# KiCad board poly_kb_wave_right.kicad_pcb (continued)
## Routing (per net, layer and track width the routed paths; a pad name or vN(x,y) marks a point on that pad's centre or on a via; arc(x,y) is an arc through that point) (continued)
Col4: length 182.5
  In1.Cu w0.254: v3(72.82,97.32) 72.3,97.83 v3(72.3,114.31)
  In2.Cu w0.3: v3(72.82,59.62) 72,58.8 63.8,58.8 63.3,58.3 41.72,58.3 32,68.02 32,92.77 25.8,98.97 25.8,99.55 v3(26.3,100.05)
  Bottom w0.203: U10.16 18.95,100.38 19.18,100.15 26.2,100.15 v3(26.3,100.05)
  Bottom w0.254: D1_3.1 72.85,114.85 v3(72.3,114.31)
  Bottom w0.3: v3(72.82,97.32) 72.82,85.19 72.6,84.98 72.6,80.11 72.82,79.89 72.82,65.89 72.6,65.68 72.6,60.93 72.82,60.72 v3(72.82,59.62) 72.82,45.12 67.35,39.66 61.95,39.66 59.5,37.2 59.5,32.95 D1_32.1
Col5: length 183.4
  In1.Cu w0.254: v3(90.8,116.2) 90.8,100.73 v3(91.87,99.67)
  In2.Cu w0.3: v3(26.68,99.13) 32.65,93.16 32.65,68.13 40.08,60.7 82.2,60.7 82.7,61.2 91.2,61.2 v3(91.87,61.87)
  Bottom w0.203: U10.17 18.55,100.27 19.03,99.8 25.66,99.8 25.97,99.49 26.32,99.49 v3(26.68,99.13)
  Bottom w0.254: v3(90.8,116.2) 91.9,117.3 D1_4.1
  Bottom w0.3: D1_25.1 91.87,60.76 91.87,49.14 91.65,48.93 91.65,45.06 91.87,44.84 91.87,41.78 D1_33.1 ; v3(91.87,99.67) 91.87,87.37 91.65,87.15 91.65,82.56 91.87,82.34 91.87,68.87 91.65,68.65 91.65,63.68 91.87,63.47 v3(91.87,61.87) 91.87,61.01 91.87,61.56
Col6: length 187.9
  In1.Cu w0.254: v3(110.7,99.91) 110.4,100.2 v3(110.4,114)
  In2.Cu w0.254: v3(29,97.75) 33.3,93.45 33.3,82.7 36.4,79.6 82.2,79.6 82.8,80.2 91.8,80.2 93.7,82.1 104.2,82.1 107.49,78.82 v3(110.92,78.82)
  Bottom w0.203: U10.18 18.15,100.17 18.97,99.35 25.45,99.35 27.1,97.7 28.95,97.7 v3(29,97.75)
  Bottom w0.254: v3(110.4,114) 110.95,114.55 D1_5.1
  Bottom w0.3: D1_34.1 110.95,40.26 110.92,40.29 110.92,41.89 110.7,42.11 110.7,46.48 110.92,46.69 110.92,61.09 110.7,61.31 110.7,65.6 110.92,65.82 110.92,79.92 110.7,80.13 110.7,84.9 110.92,85.12 110.92,99.69 v3(110.7,99.91)
Col7: length 212.3
  In1.Cu w0.203: v2(20.89,89.78) 20.15,89.03 16.23,89.03 13.3,91.95 13.3,96.43 v2(13.98,97.1)
  In1.Cu w0.254: v3(129.4,112) 129.4,97.43 v3(129.97,96.87)
  In2.Cu w0.254: v3(129.97,96.87) 127.93,98.91 124.9,98.91 124.4,99.41 121.7,99.41 120.9,98.6 109.1,98.6 106.2,101.5 101.8,101.5 101.2,100.91 91.6,100.91 89.5,98.81 37.7,98.81 35.62,96.72 v3(30.87,96.72)
  Bottom w0.203: U10.27 14.55,100.06 14.55,100.05 14.55,97.68 v2(13.98,97.1) ; v3(30.87,96.72) 23.92,89.78 v2(20.89,89.78)
  Bottom w0.254: v3(129.4,112) 130,112.6 D1_6.1
  Bottom w0.3: D1_35.1 130,37.91 129.97,37.94 129.97,39.84 129.75,40.06 129.75,44.03 129.97,44.24 129.97,58.84 129.75,59.06 129.75,62.85 129.97,63.07 129.97,77.87 129.75,78.08 129.75,82.43 129.97,82.64 v3(129.97,96.87)
Col8: length 234.2
  In1.Cu w0.254: v3(152.65,96.5) 153.33,97.18 153.33,105.42 v3(153.3,105.45) ; v2(19.25,105.6) 20.5,105.6 33,118.1 42.6,118.1 44.5,120 92.4,120 94.95,122.56 129.15,122.56 130.2,121.5 v3(147.9,121.5)
  In2.Cu w0.3: v3(152.74,43.67) 152.46,43.39 152.46,40.27 150.43,38.24 v3(149.34,38.24)
  Bottom w0.203: U10.5 19.58,105.28 v2(19.25,105.6)
  Bottom w0.254: v3(147.9,121.5) 147.95,121.56 150.75,121.56 152.5,119.81 152.5,117 153.81,115.7 D1_7.1 153.81,112.63 153.3,112.12 v3(153.3,105.45) ; D1_14.1 153.81,95.35 v3(152.65,96.5)
  Bottom w0.3: v3(149.34,38.24) 149.34,37.28 D1_36.1 ; 153.78,56.25 153.78,57.73 ; 153.78,57.73 153.78,44.71 v3(152.74,43.67) ; 153.78,57.73 153.56,57.94 153.56,63.42 154.52,64.38 154.52,67.88 D1_21.1 153.6,68.8 153.6,73.65 155.2,75.25 155.2,76.91 155.61,77.32 155.98,77.32 156.29,77.63 156.29,78.57 155.9,78.95 155.9,87.36 153.78,89.48 153.78,94.1 D1_14.1
D-C: length 1041.4
  Top w0.203: v2(36.49,107.54) 29.19,107.54 23.77,102.12 v2(19.1,102.12)
  In1.Cu w0.3: v3(80.68,116.29) 80.68,116.29 80.68,115.53 79.92,114.77 76.11,114.77 74.59,113.25 74.59,105.12 80.68,99.02 80.68,96.48 79.92,95.72 76.11,95.72 74.59,94.2 74.59,86.07 80.68,79.97 80.68,77.43 79.92,76.67 76.11,76.67 74.59,75.15 74.59,67.02 80.68,60.92 80.68,58.38 79.92,57.62 76.11,57.62 74.59,56.1 74.59,42.39 68.71,36.51 68.71,34.51 v3(68.86,32.74) ; v3(42.58,113.91) 42.58,113.91 42.58,113.15 41.82,112.39 38.01,112.39 36.49,110.86 v2(36.49,107.54) 38.24,105.79 38.24,100.99 42.58,96.64 42.58,94.1 41.82,93.34 38.01,93.34 36.49,91.81 36.49,83.69 42.58,77.59 42.58,75.05 41.82,74.29 38.01,74.29 36.49,72.76 36.49,55.25 39.38,52.35 v3(39.8,50.62) 39.98,49.88 39.41,48.96 35.71,48.07 14.72,48.07 13.65,47 13.65,46.37 15.1,44.93 v3(15.7,43.26) 15.96,42.55 15.51,41.57 11.93,40.27 11.02,38.31 13.95,30.25 19.93,24.28 23.21,24.28 v3(23.81,22.61) ; v3(161.65,113.91) 161.65,113.15 160.88,112.39 157.07,112.39 155.55,110.86 155.55,102.74 161.65,96.64 v3(161.65,94.86) 161.65,94.1 160.88,93.34 157.07,93.34 155.55,91.81 155.55,83.69 161.65,77.59 v3(161.65,75.81) 161.65,75.05 160.88,74.29 157.07,74.29 155.55,72.76 155.55,64.64 161.65,58.54 v3(161.65,56.76) 161.65,56 160.88,55.24 157.07,55.24 155.55,53.71 155.55,40.82 156.88,39.49 v3(156.88,37.71) ; v3(61.63,113.91) 61.63,113.15 60.87,112.39 57.06,112.39 55.54,110.86 55.54,102.73 61.63,96.64 61.63,94.1 60.87,93.34 57.06,93.34 55.54,91.81 55.54,83.68 61.63,77.59 61.63,75.05 60.87,74.29 57.06,74.29 55.54,72.76 55.54,64.63 61.63,58.54 61.63,56 60.87,55.24 57.06,55.24 55.54,53.71 55.54,39.19 52.35,36 47.95,36 44.95,33 44.95,30.6 45.47,30.09 v3(45.47,28.91) ; 99.73,117.91 98.97,117.15 95.16,117.15 93.63,115.63 93.63,107.5 99.73,101.4 99.73,98.86 98.97,98.1 95.16,98.1 93.63,96.58 93.63,88.45 99.73,82.35 99.73,79.81 98.97,79.05 95.16,79.05 93.63,77.53 93.63,69.4 99.73,63.3 99.73,60.76 98.97,60 95.16,60 93.63,58.48 93.63,50.35 99.73,44.25 v3(99.73,42.47) ; 137.83,113.91 137.83,113.15 137.07,112.39 133.26,112.39 131.74,110.86 131.74,102.73 137.82,96.65 137.82,94.09 137.07,93.34 133.26,93.34 131.74,91.81 131.74,83.68 137.83,77.59 137.83,75.05 137.07,74.29 133.26,74.29 131.74,72.76 131.74,64.63 137.83,58.54 137.83,56 137.07,55.24 133.26,55.24 131.74,53.71 131.74,45.12 137.83,39.03 v3(137.83,37.71) ; v3(118.78,40.09) 118.78,41.87 112.73,47.92 112.68,47.92 112.68,56.09 114.21,57.62 118.02,57.62 118.78,58.38 118.78,60.92 112.68,67.02 112.68,75.14 114.21,76.67 118.02,76.67 118.78,77.43 118.78,79.97 112.68,86.07 112.68,94.19 114.21,95.72 118.02,95.72 118.78,96.48 118.78,99.02 112.68,105.12 112.68,113.24 114.21,114.77 118.02,114.77 118.78,115.53 118.78,116.29
  In2.Cu w0.254: J38.4 37.09,15.72 30.5,22.31 30.5,23.51 29,25 26.21,25 v3(23.81,22.61)
  In2.Cu w0.3: 137.9,115.91 159.65,115.91 v3(161.65,113.91) ; 137.9,115.91 137.83,115.83 v3(137.83,113.91) ; 137.9,115.91 127.5,115.91 125.2,118.2 118.8,118.2 ; 61.6,117.91 61.63,117.88 v3(61.63,113.91) ; 61.6,117.91 80.6,117.91 ; 61.6,117.91 42.5,117.91 ; v3(42.58,113.91) 42.58,117.82 42.5,117.91 ; 80.6,117.91 84,117.91 84.3,118.2 87.1,118.2 88,117.31 92.3,117.31 95.5,120.5 99.8,120.5 ; 80.6,117.91 80.68,117.82 v3(80.68,116.29) ; 42.5,117.91 34.22,117.91 v3(33.73,117.42) ; v3(99.74,118.29) 99.74,120.44 99.8,120.5 ; 118.8,118.2 118.78,118.19 v3(118.78,116.29) ; 118.8,118.2 109.5,118.2 107.2,120.5 99.8,120.5
  Bottom w0.203: v2(19.1,102.12) 19.1,102.26 19.72,102.88 U10.11
  Bottom w0.3: J26.10 118.8,59.16 v3(118.78,59.14) ; J36.10 156.9,37.73 v3(156.88,37.71) ; 118.8,98.51 118.8,97.26 v3(118.78,97.24) ; J15.10 42.6,75.83 v3(42.58,75.81) ; J17.10 80.7,78.21 v3(80.68,78.19) ; J13.10 137.85,94.88 v3(137.83,94.86) ; v3(118.78,116.29) 118.8,116.31 J5.10 ; J35.10 137.85,37.73 v3(137.83,37.71) ; v3(45.47,28.91) 45.48,28.94 J31.10 ; v3(68.86,32.74) 68.88,32.76 J32.10 ; 32.05,118.2 32.94,118.2 v3(33.73,117.42) ; v3(99.73,99.62) 99.75,99.64 J11.10 ; J28.10 161.67,56.78 v3(161.65,56.76) ; v3(61.63,56.76) 61.65,56.78 J23.10 ; v3(118.78,40.09) 118.8,40.11 118.8,41.36 ; J24.10 80.7,59.16 v3(80.68,59.14) ; 80.7,98.51 80.7,97.26 v3(80.68,97.24) ; v3(61.63,94.86) 61.65,94.88 J9.10 ; v3(137.83,113.91) 137.85,113.93 J6.10 ; J30.10 23.83,22.63 v3(23.81,22.61) ; J19.10 118.8,78.21 v3(118.78,78.19) ; J16.10 61.65,75.83 v3(61.63,75.81) ; v3(99.73,61.52) 99.75,61.54 J25.10 ; J7.10 161.67,113.93 v3(161.65,113.91) ; v3(80.68,116.29) 80.7,116.31 J3.10 ; J22.10 39.81,50.65 v3(39.8,50.62) ; J27.10 137.85,56.78 v3(137.83,56.76) ; v3(42.58,94.86) 42.6,94.88 J8.10 ; v3(137.83,75.81) 137.85,75.83 J20.10 ; v3(15.7,43.26) 15.72,43.29 J29.10 ; J4.10 99.75,118.3 v3(99.74,118.29) ; v3(61.63,113.91) 61.65,113.93 J2.10 ; J1.10 42.6,113.93 v3(42.58,113.91) ; v3(161.65,75.81) 161.67,75.83 J21.10 ; v3(161.65,94.86) 161.67,94.88 J14.10 ; J33.10 99.75,42.49 v3(99.73,42.47) ; J18.10 99.75,80.59 v3(99.73,80.57)
ENC_A: length 56.4
  Top w0.203: SW1.A 25.48,69.14 v3(25.48,73.82)
  In1.Cu w0.203: v2(13.95,97.84) 12.95,96.84 12.95,91.81 16.08,88.67 19.43,88.67 22.62,85.49 v3(22.62,84.8)
  In2.Cu w0.203: v3(25.48,73.82) 25.48,81.94 v3(22.62,84.8) ; v2(14.21,102.2) 14.21,101.28 14.49,101 14.49,98.38 v2(13.95,97.84)
  Bottom w0.203: v2(14.21,102.2) 14.31,102.2 14.72,102.6 14.72,103.95 14.6,104.07 14.6,104.07 13.78,104.88 U10.37
  Bottom w0.25: SW1.A 26.17,68.14 28.3,66 28.3,62.2 SW1.A
ENC_B: length 82.8
  In1.Cu w0.203: v3(21.6,85.6) 18.88,88.32 15.89,88.32 12.59,91.62 12.59,97.25 14.5,99.16 14.5,101.81 14.82,102.12 14.82,104.89 v2(12.4,107.31)
  In2.Cu w0.3: v3(21.6,85.6) 21.64,85.63 23.28,85.63 26.07,82.84 26.07,79.28 26.46,78.9 29,78.9 31.03,76.87 31.03,67.47 34.46,64.05 34.46,58.84 31.15,55.54 26.96,55.54 25.42,57.08 25.42,62.57 SW1.B
  Bottom w0.203: v2(12.4,107.31) 12.4,106.93 12.85,106.48 U10.41
I2C_SCL: length 84.2
  Top w0.229: v3(24.61,86.33) 17.92,86.33 17.05,87.19 17.05,87.96
  In1.Cu w0.25: 12.2,74.44 12.2,74.51 15.15,77.45 v3(15.71,77.45) 24.6,77.45 ; 24.6,77.41 24.95,77.05
  In1.Cu w0.254: 12.2,74.44 12.2,70.7 6.3,64.8 J39.1
  In1.Cu w0.3: v3(23.1,104.91) 24.55,103.45 24.55,77.45 30.88,71.12 30.88,67.12 J44.3
  Bottom w0.203: R24.2 22.74,104.91 21.56,106.09 20.2,106.09 U10.3
  Bottom w0.25: v3(15.71,77.45) 15.81,77.56 15.81,78.52 15.54,79.28
I2C_SDA: length 102.8
  Top w0.229: 17.55,87.96 18.05,87.96 18.05,87.13 18.38,86.8 24.29,86.8 v3(25.61,88.12)
  In1.Cu w0.229: 25.65,88.16 v3(25.61,88.12)
  In1.Cu w0.254: 16.3,73.2 15.3,73.2 7.7,65.6 7.7,62.79 J39.2
  In1.Cu w0.3: v3(23.1,105.91) 25.23,103.78 25.23,88.5 25.58,88.16 25.65,88.16 ; v3(25.61,88.12) 25.3,87.82 25.3,77.91 31.8,71.41 31.8,64.79 J44.4 29.72,63.89 27.4,66.2 27.4,69.1 23.3,73.2 16.3,73.2 16.3,76.63 v3(16.18,76.76)
  Bottom w0.203: U10.2 21.67,106.48 22.24,105.91 23.89,105.91
  Bottom w0.25: v3(16.18,76.76) 16.32,76.91 16.32,78.6 16.05,79.36
LED_ARR_START: length 163.3
  Top w0.254: LED7.4 162.65,119.06 131.95,119.06 129.7,121.31 113.1,121.31 110.94,123.47 101.27,123.47 101.01,123.2 94.6,123.2 91.7,120.31 86.45,120.31 84.7,122.06 73.3,122.06 70.1,118.85 29.95,118.85 v3(28.15,117.06)
  Bottom w0.254: U10.4 21.43,105.68 22.9,104.2 26.4,104.2 28.15,105.95 v3(28.15,117.06)
PICO_3V3: length 214
  Top w0.229: 13.63,102.96 13.65,102.93 14.16,102.93 ; R20.1 23.03,110.61 C9.1 22.63,110.58 20.43,108.39 v2(20.43,108.38) 20.43,108.38 C21.1 ; R20.1 26.66,110.61 ; R20.1 26.69,110.72 v3(26.69,114.01) ; v2(14.55,108.43) 14.55,108.75 ; 16.55,101.02 16.57,101 ; 10.53,100.43 10.5,100.41 ; 13.72,103.28 13.58,103.14
  Top w0.3: 13.63,101 13.63,103.19 13.72,103.28 ; 10.53,108.35 13.68,108.35 14.1,107.93 ; 14.06,107.2 14.06,105.66 C19.1 ; 14.06,107.2 14.06,107.88 14.1,107.93 15.75,107.93 ; 14.06,107.2 14.06,106.87 v2(14.1,106.83) ; 15.75,107.93 15.75,108 v2(16.46,108.71) 16.75,108.71 C22.1 C21.1 19.92,106.65 19.92,105.06 C23.1 19.21,104.36 v2(19.21,104.08) 19.35,103.94 19.35,103.08 19.01,103.08 18.18,102.25 17.83,102.25 ; 15.75,107.93 15.75,107.31 ; 16.55,101.02 v2(16.55,101.64)
  Top w0.4: J39.3 7.9,60.45 7.9,66.1 11.33,69.53 v3(13.22,69.53) ; 17.83,102.25 17.83,101.37 17.47,101 10.53,101
  Top w0.75: v1(9.78,84.63) 8.21,83.06 5.23,83.06 5.23,88.15 v1(6.47,89.39) 7.85,90.78 9.28,90.78 10.5,92 10.5,93 ; 10.5,100.41 10.5,93 ; 10.5,93 10.53,93.03 10.53,108.35 10,108.88 7.05,108.88 R14.2 5.88,111.6 C5.1 4.93,112.66 C6.1 3.8,112.03 v1(4.38,111.45)
  Bottom w0.203: 21.33,106.88 U10.1 ; 21.33,106.88 21.33,107.49 v2(20.43,108.38) ; 21.33,106.88 21.77,106.88 22.16,106.5 24.42,106.5 R25.1 R24.1 ; U10.44 U10.43 14.15,106.88 v2(14.1,106.83)
  Bottom w0.229: v3(26.69,114.01) 26.69,115.44 U9.8 ; 14.16,102.93 14.15,102.94 14.14,102.94 13.8,103.28 U10.33 ; U10.10 19.71,103.28 19.21,103.78 v2(19.21,104.08) ; U10.42 14.05,106.88 v2(14.1,106.83) ; U10.48 16.15,108.4 v2(16.46,108.71) 16.55,108.62 U10.49 ; U10.22 v2(16.55,101.64) ; U10.44 v2(14.55,108.43)
  Bottom w0.254: 18.04,79.56 18.15,79.67
  Bottom w0.3: D1.2 8.8,122.14 8.8,120.38 9.08,120.1 9.08,112.48 8.5,111.91 L2.2 ; J43.12 18.04,79.56
  Bottom w0.4: 14.18,74.75 14.18,70.34 13.37,69.53 v3(13.22,69.53)
  Bottom w0.75: L2.2 5.65,111.45 v1(4.38,111.45) 2.6,109.68 JP13.1 ; JP14.1 17.99,82.12 17.99,79.1 ; 18.25,74.75 17.99,75.02 17.99,79.1 ; 18.25,74.75 29.25,74.75 32.95,71.05 32.95,62.68 J44.5 ; 18.25,74.75 13.33,74.75 9.78,78.31 v1(9.78,84.63) 10.44,84.63 12.03,86.22 JP11.1 ; v1(6.47,89.39) 6.25,89.18 JP3.1 ; 17.99,79.91 17.99,79.1
  vias: v2(14.13,102.86)
RESET: length 1253.6
  Top w0.203: 15.05,87.96 15.05,86.8 15.05,86.8 15.05,86.68 18.4,83.33 26.06,83.33 29.45,86.73 29.45,93.95 27.4,96 v3(27.4,102.7)
  In1.Cu w0.3: 128.74,116.37 126.53,118.58 119.69,118.58 ; 128.74,116.37 128.74,45.98 125.13,42.38 v3(119.7,42.38) ; 128.74,116.37 128.91,116.2 138.25,116.2 v3(138.57,116.51) ; v3(106.95,26.23) 106.95,26.35 107.13,26.53 107.13,31.53 104.31,34.35 104.31,37.39 100.65,41.05 ; 109.58,65.23 103.18,65.23 101.77,63.82 100.63,63.82 ; 138.74,97.15 139.88,97.15 141.28,98.56 148.2,98.56 v3(149.31,97.45) ; 144.91,60.46 144.91,66.55 142.3,69.16 142.3,70.41 139.15,73.55 139.15,77.69 v3(138.75,78.1) 140.61,78.1 148.9,86.39 148.9,87.37 v3(149.37,87.84) 149.72,88.19 149.72,88.88 147.31,91.29 147.31,107.94 147.79,108.42 147.79,113.79 145.38,116.2 ; 144.91,60.46 147.1,60.46 147.8,59.75 147.8,48.29 147.81,48.29 147.81,44.94 v3(146.39,43.52) 142.87,40 v3(138.75,40) ; 144.91,60.46 141.28,60.46 139.88,59.05 138.74,59.05 ; 52.43,98.56 46.03,98.56 44.63,97.15 43.49,97.15 ; 43.5,116.2 49.68,116.2 51.24,114.64 ; 41.8,29.5 43.68,27.63 46.13,27.63 47.06,28.56 47.06,31.65 ; 41.8,29.5 41.8,33.3 46.9,38.41 48.5,38.41 49.33,39.23 49.33,41.83 47.77,43.39 46.79,43.39 45.86,44.32 45.86,47.06 46.28,47.48 46.28,54.33 ; 41.8,29.5 29.35,29.5 29.3,29.45 ; 71.48,98.56 65.08,98.56 63.68,97.15 62.54,97.15 ; 46.28,54.33 50.4,54.33 52.54,56.47 52.54,113.34 51.24,114.64 ; 46.28,54.33 45.44,54.33 v3(40.15,53.06) ; 100.65,41.05 97.66,41.05 96.5,42.2 96.5,43.6 95.87,44.24 90.64,44.24 ; 100.65,41.05 v3(100.65,44.76) 106.08,44.76 109.68,48.36 109.68,118.69 ; 90.64,44.24 90.64,97.39 87.94,100.09 87.94,100.94 ; 90.64,44.24 90.64,40.89 85.26,35.52 74.39,35.52 v3(69.58,35.09) ; 171.5,98.56 165.1,98.56 163.69,97.16 162.55,97.16 ; v3(23.89,25.07) 29,26.93 29.3,27.23 29.3,29.45 ; 71.48,79.51 65.08,79.51 63.68,78.1 62.54,78.1 ; 162.55,59.05 163.69,59.05 165.1,60.46 171.5,60.46 ; 47.06,31.65 51.11,32.62 55.87,32.62 62.75,39.5 66.1,39.5 ; 47.06,31.65 v3(45.82,31.35) ; 51.24,114.64 52.8,116.2 v3(62.55,116.2) ; 119.69,61.44 120.82,61.44 122.23,62.84 128.63,62.84 ; 81.59,61.44 82.73,61.44 84.13,62.84 90.53,62.84 ; 66.1,39.5 v3(66.1,38.91) ; 66.1,39.5 71.59,44.99 71.59,113.59 70.44,114.74 ; 109.68,118.69 109.79,118.58 119.36,118.58 v3(119.6,118.81) ; 109.68,118.69 107.41,120.96 100.64,120.96 ; 81.59,99.54 82.73,99.54 84.13,100.94 87.94,100.94 ; 29.3,29.45 29.3,32.92 27.01,35.21 22.78,37.19 21.74,40.05 19.78,40.96 18.83,40.62 17.53,41.22 15.91,45.66 v3(15.78,45.72) ; 100.63,82.87 101.77,82.87 103.18,84.28 109.58,84.28 ; 145.38,116.2 145.38,117.02 146.76,118.41 159,118.41 161.21,116.2 v3(162.56,116.2) 169.61,116.2 171.6,114.2 171.6,43.5 169.51,41.41 160.35,41.41 158.94,40 157.8,40 ; 145.38,116.2 138.75,116.2 ; 119.69,80.49 120.82,80.49 122.23,81.89 128.63,81.89 ; 128.63,100.94 122.23,100.94 120.82,99.54 119.69,99.54 ; v3(81.6,118.58) 74.28,118.58 70.44,114.74 ; v3(81.6,118.58) 81.6,114.66 85.25,111 85.25,107.5 87.94,104.82 87.94,100.94 ; v3(81.6,118.58) 82.12,119.1 93.5,119.1 94.7,120.31 99.8,120.31 v3(100.61,121.11) ; 171.5,79.51 165.1,79.51 163.69,78.1 162.55,78.1 ; 52.43,79.51 44.71,79.51 v3(44.2,79) ; 70.44,114.74 68.98,116.2 62.55,116.2 ; 90.53,81.89 84.13,81.89 82.73,80.49 81.59,80.49 ; 109.58,103.33 103.18,103.33 101.77,101.92 100.63,101.92 ; v3(33.6,114.6) 35.2,116.2 v3(43.5,116.2) ; 71.48,60.46 65.08,60.46 63.68,59.05 62.54,59.05
  In2.Cu w0.254: J38.5 39.52,14.19 31.6,22.1 31.6,24.81 29.7,26.7 25.53,26.7 v3(23.89,25.07)
  Bottom w0.203: 27.18,102.48 33.6,108.91 v3(33.6,114.6) 33.6,115.41 33.25,115.75 31.35,115.75 30.81,116.3 30.81,117.55 30.15,118.2 29.8,118.2 ; 27.18,102.48 U10.12 ; 27.18,102.48 v3(27.4,102.7)
  Bottom w0.254: U6.10 152.06,60.31 149.92,58.18 148.91,58.18 v3(147.8,59.28) ; U7.10 152.03,43.65 151.45,43.06 146.85,43.06 v3(146.39,43.52) ; v3(149.37,87.84) 152.49,87.84 153.24,87.09 153.24,84.04 152.96,83.76 152.56,83.76 152.11,84.21 U5.10 ; U4.10 152.11,98.41 151.14,97.45 v3(149.31,97.45) ; U8.10 94.75,21.9 95.71,22.86 103.45,22.86 106.82,26.23 v3(106.95,26.23)
  Bottom w0.3: v3(62.55,78.1) 62.15,77.7 J16.9 ; J21.9 162.17,77.7 v3(162.56,78.1) ; v3(81.6,118.58) 81.2,118.19 J3.9 ; v3(162.56,97.15) 162.17,96.75 J14.9 ; v3(40.15,53.06) 39.86,52.59 J22.9 ; J24.9 81.2,61.04 v3(81.6,61.43) ; J9.9 62.15,96.75 v3(62.55,97.15) ; J25.9 100.25,63.75 v3(100.51,64.01) ; v3(15.78,45.72) 15.54,45.22 J29.9 ; v3(119.6,118.81) 119.3,118.52 J5.9 ; J32.9 69.22,34.67 v3(69.58,35.09) 69.52,35.09 66.1,38.5 v3(66.1,38.91) ; J17.9 81.2,80.09 v3(81.6,80.48) ; J13.9 138.35,96.75 v3(138.75,97.15) ; v3(162.56,59.05) 162.17,58.65 J28.9 ; 119.3,41.36 119.3,41.99 v3(119.7,42.38) ; v3(44.2,79) 43.1,77.91 J15.9 ; J30.9 23.65,24.56 v3(23.89,25.07) ; 119.3,98.51 119.3,99.14 v3(119.7,99.53) ; J36.9 157.4,39.6 v3(157.8,40) ; v3(138.75,40) 138.35,39.6 J35.9 ; J19.9 119.3,80.38 v3(119.64,80.71) ; J31.9 45.53,30.87 v3(45.82,31.35) ; J2.9 62.15,115.8 v3(62.55,116.2) ; J33.9 100.25,44.37 v3(100.65,44.76) ; v3(81.59,99.59) 81.2,99.2 81.2,98.51 ; J23.9 62.15,58.65 v3(62.55,59.05) ; J6.9 138.35,116.3 v3(138.57,116.51) ; v3(43.5,116.2) 43.1,115.8 J1.9 ; J20.9 138.35,77.7 v3(138.75,78.1) ; J8.9 43.1,96.75 v3(43.5,97.15) ; J26.9 119.3,61.04 v3(119.7,61.43) ; v3(100.65,101.91) 100.25,101.52 J11.9 ; v3(100.61,121.11) 100.25,120.75 J4.9 ; J27.9 138.35,58.65 v3(138.75,59.05) ; J7.9 162.17,115.8 v3(162.56,116.2) ; v3(100.65,82.86) 100.25,82.47 J18.9
Row1: length 218
  Top w0.254: v3(48.35,111) 49.8,112.45 61.75,112.45 63.95,110.25 66.5,110.25 v3(67.35,111.1) 71.35,115.1 80.45,115.1 82.9,112.66 85.55,112.66 v3(86.35,113.45) 89.15,113.45 93.1,109.5 102.9,109.5 103.9,110.5 103.9,114.41 v3(105.3,115.81) 105.95,115.16 118.3,115.16 120.6,112.85 123.8,112.85 v3(124.4,113.45) 125.15,112.7 137.6,112.7 139.9,110.41 142.9,110.41 145.25,112.75 v3(147.1,112.75) 161.75,112.75 164.05,110.45 166.45,110.45 167.1,111.1 v3(167.25,111.1)
  In1.Cu w0.203: v3(48.35,111) 48.35,110.45 50.7,108.1 50.7,102.66 v3(49.6,101.56)
  Bottom w0.203: v3(49.6,101.56) 48.9,100.85 45.85,100.85 44.5,99.5 40.2,99.5 39.5,100.2 36.6,100.2 34.1,97.7 32.7,97.7 24.18,89.18 16,89.18 13.83,91.35 12.63,91.35 12.2,91.78 12.2,101.1 12.78,101.68 U10.29
  Bottom w0.254: v3(147.1,112.75) 145.53,112.75 SW_K_6.1 ; SW_K_7.1 167.69,111.1 v3(167.25,111.1) ; v3(105.3,115.81) 106.88,117.38 SW_K_4.1 ; v3(67.35,111.1) 67.68,111.1 SW_K_2.1 ; v3(86.35,113.45) 86.7,113.45 SW_K_3.1 ; v3(48.35,111) 48.53,111 SW_K_1.1 ; v3(124.4,113.45) 125.95,115 SW_K_5.1
Row2: length 205.2
  Top w0.203: v3(48.3,92) 47.1,90.8 47.1,87.2 45.65,85.75 38.8,85.75 v3(37.4,87.16)
  Top w0.3: v3(167.3,92) 166.8,91.5 163.8,91.5 161.6,93.7 145.6,93.7 v3(143.7,91.8) 143.3,91.41 140,91.41 137.8,93.6 124.5,93.6 ; 124.5,93.6 121.3,93.6 118.8,96.1 102.2,96.1 100.1,98.2 91,98.2 87.1,94.31 v3(86.3,94.31) 85.7,93.7 82.9,93.7 80.8,95.81 71.1,95.81 v3(67.3,92) 66.5,91.2 64.1,91.2 61.6,93.7 50,93.7 v3(48.3,92) ; 124.5,93.6 v3(124.5,94.31) ; v3(105.4,96.81) 105.4,96.2
  Bottom w0.203: v3(37.4,87.16) 35.03,89.53 25.23,89.53 24.52,88.82 15.86,88.82 13.7,90.98 12.23,90.98 11.85,91.36 11.85,101.5 12.43,102.08 U10.30
  Bottom w0.3: SW_K_13.1 143.7,91.88 v3(143.7,91.8) ; SW_K_10.1 86.6,94.31 v3(86.3,94.31) ; SW_K_11.1 106.93,98.33 v3(105.4,96.81) ; SW_K_8.1 48.58,92 v3(48.3,92) ; SW_K_12.1 124.7,94.31 v3(124.5,94.31) ; v3(167.3,92) 168.87,93.57 SW_K_14.1 ; v3(67.3,92) 67.63,92 SW_K_9.1
Row3: length 213.8
  Top w0.3: v3(167.3,72.91) 166.7,72.3 163.2,72.3 161.2,74.3 155.5,74.3 153.6,72.41 147,72.41 v3(143.7,75.7) 142.7,76.7 142.69,76.69 135.39,76.69 134.1,75.41 v3(124.5,75.41) 123.8,74.7 120.5,74.7 117.9,77.3 105.8,77.3 ; 105.8,77.3 105.3,77.3 ; 105.8,77.3 v3(105.4,77.7) 105.4,77.41 105.3,77.3 ; 105.3,77.3 101.3,77.3 99.4,79.2 90.2,79.2 v3(86.4,75.41) 85.6,74.6 83,74.6 80.7,76.91 71.3,76.91 v3(67.3,72.91) 66.6,72.2 63.6,72.2 61.2,74.6 49.9,74.6 v3(48.2,72.91)
  In1.Cu w0.203: v3(42.3,81.6) 43.2,80.7 43.2,78.6 43.95,77.85 49.1,77.85 49.4,77.55 49.4,74.05 48.25,72.91 v3(48.2,72.91)
  Bottom w0.203: U10.31 12.23,102.48 11.4,101.66 11.4,91.03 11.88,90.55 13.62,90.55 15.71,88.47 24.79,88.47 25.48,89.16 31.1,89.16 38.65,81.6 v3(42.3,81.6)
  Bottom w0.3: SW_K_18.1 105.71,77.7 v3(105.4,77.7) ; v3(143.7,75.7) 144.21,75.7 SW_K_20.1 ; SW_K_15.1 48.53,72.91 v3(48.2,72.91) ; SW_K_19.1 124.85,75.41 v3(124.5,75.41) ; v3(67.3,72.91) 67.58,72.91 SW_K_16.1 ; v3(167.3,72.91) 168.92,74.52 SW_K_21.1 ; v3(86.4,75.41) 86.75,75.41 SW_K_17.1
Row4: length 258.7
  Top w0.3: SW1.S1 9.05,61.99 9.05,55.55 14.1,50.5 18.23,50.5 24.43,56.7 28.62,56.7 29.66,57.75 SW1.S1 39.62,58.72 42.6,61.7 v3(51.6,61.7) ; 105.4,57.8 102.4,57.8 100.1,60.1 90.2,60.1 v3(86.4,56.3) 85.7,55.6 82.3,55.6 79.9,58 71.4,58 v3(67.3,53.91) 66.6,53.2 63.6,53.2 61.1,55.7 52.4,55.7 v3(49.3,52.6) ; 105.4,57.8 v3(105.4,58.7) ; 105.4,57.8 118.6,57.8 120.8,55.6 124.1,55.6 126.7,58.2 v3(128,58.2) 134.2,58.2 135,57.41 143.9,57.41 145.5,55.8 160.5,55.8 163.1,53.2 166.6,53.2 v3(167.3,53.91)
  In2.Cu w0.3: SW1.S1 8.6,64.07 8.6,86.3 11.37,89.07 11.37,102.53 v2(11.3,102.6)
  Bottom w0.229: U10.32 11.57,102.88 v2(11.3,102.6)
  Bottom w0.3: SW_K_27.1 146.77,55.47 v3(147.1,55.8) ; v3(105.4,58.7) 106.93,60.23 SW_K_25.1 ; SW_K_26.1 126.7,58.2 v3(128,58.2) ; v3(167.3,53.91) 168.87,55.47 SW_K_28.1 ; SW_K_22.1 48.92,52.6 v3(49.3,52.6) 51.6,54.91 v3(51.6,61.7) ; v3(67.3,53.91) 67.63,53.91 SW_K_23.1 ; SW_K_24.1 86.7,56.3 v3(86.4,56.3)
Row5: length 260.2
  Top w0.3: 75.6,33.7 78.4,33.7 v3(78.4,32.8) ; 75.6,33.7 71.5,33.7 68.5,30.7 55.7,30.7 v3(54.9,29.91) 51.1,26.1 47.6,26.1 46.7,27 34.4,27 v3(33,25.6) ; 75.6,33.7 87.63,33.7 95.13,41.2 99.4,41.2 101.9,38.7 105.1,38.7 ; v3(105.2,39.6) 105.2,38.8 105.1,38.7 ; 124.4,36.7 137.2,36.7 139.5,34.41 143.5,34.41 v3(143.7,34.6) 145.4,36.3 156.7,36.3 158.8,34.2 161.9,34.2 v3(162.5,34.8) ; 124.4,36.7 120.7,36.7 118.7,38.7 105.1,38.7 ; 124.4,36.7 124.5,36.8 v3(124.5,37.41)
  In1.Cu w0.3: v2(13.41,99.42) 13.41,101.49 v2(11.3,103.6)
  In2.Cu w0.3: v2(13.41,99.42) 13.41,85.9 14.2,85.1 14.2,82.91 25.44,71.67 25.44,70.27 26.96,68.74 26.96,66.71 29,64.68 29,60.36 28.11,59.47 27.34,59.47 27.09,59.22 26.2,59.22 v3(26.07,59.09) ; v3(33,25.6) 32,26.6 32,39.1 v3(25.7,45.41)
  Bottom w0.229: U10.34 11.37,103.68 v2(11.3,103.6)
  Bottom w0.3: SW_K_32.1 77.71,32.11 v3(78.4,32.8) ; v3(26.07,59.09) 25.23,59.09 24.95,58.81 24.95,46.16 v3(25.7,45.41) 24.94,44.64 SW_K_29.1 ; v3(54.9,29.91) 54.42,29.42 SW_K_31.1 ; v3(124.5,37.41) 125.9,38.8 SW_K_34.1 ; v3(33,25.6) 32.98,25.6 SW_K_30.1 ; v3(162.5,34.8) 164.12,36.42 SW_K_36.1 ; SW_K_35.1 143.7,34.73 v3(143.7,34.6) ; v3(105.2,39.6) 106.78,41.19 SW_K_33.1
SCLK_RAW: length 194.5
  Top w0.254: R1.2 29.8,111.18 v2(29.8,111.95)
  In2.Cu w0.254: 126.8,124.41 v3(109.8,124.41) v3(101.4,124.41) 95.9,124.41 91.6,120.1 86.3,120.1 84.2,122.2 67.7,122.2 ; 126.8,124.41 134.2,124.41 135.81,122.8 v3(140.8,122.8) 142.7,120.91 v3(163.1,120.91) ; 126.8,124.41 126.9,124.31 v3(126.9,124.1) ; 67.7,122.2 68.99,122.2 v3(69.1,122.09) ; 67.7,122.2 v3(63.1,122.2) 50.98,122.2 v3(50.97,122.21) 50.97,122.2 v3(45.6,122.2) 33.3,122.2 30.24,119.14 30.24,112.39 v2(29.8,111.95)
  Bottom w0.254: JP41.3 102,125 v3(101.4,124.41) ; U39.2 v3(126.9,124.1) 126.9,125.29 126.59,125.6 122.4,125.6 121.7,124.91 JP43.3 ; v3(163.1,120.91) 163.25,120.76 JP47.3 164.5,121.41 164.89,121.79 170.12,121.79 170.83,121.08 170.83,120.03 170.03,119.23 169.7,119.23 U43.2 ; 63.9,122.2 63.9,124.65 ; 63.9,122.2 v3(63.1,122.2) ; 63.9,122.2 JP35.3 ; JP45.3 140.6,122.6 v3(140.8,122.8) 145.63,122.8 145.8,122.63 U41.2 ; v3(109.8,124.41) 109.8,124.22 109.23,123.65 108.13,123.65 108.1,123.68 U37.2 ; JP37.3 v3(45.6,122.2) ; v3(50.97,122.21) 50.9,122.28 U33.2 ; U35.2 U31.2
  Bottom w0.3: 29.8,112.75 29.8,111.16
SDIN_RAW: length 176.4
  Top w0.254: v2(32,111.91) 32,111.28 R2.2
  In2.Cu w0.254: v2(32,111.91) 31.95,111.95 31.95,118.75 34.7,121.5 v3(36.9,121.5) v3(56.8,121.5) v3(61.8,121.5) 83.7,121.5 85.9,119.31 91.9,119.31 95.9,123.31 96.8,123.31 ; v3(158.7,119.7) 158.4,120 135.6,120 v3(133.5,122.1) 115.7,122.1 v3(114.5,123.31) 96.8,123.31 ; 96.8,123.31 v3(96.8,123.81)
  Bottom w0.254: U36.2 94.3,124.83 94.47,125 JP40.3 96.9,123.91 v3(96.8,123.81) ; 133.5,121.2 JP44.3 ; 133.5,121.2 132.23,121.2 131.9,120.88 U40.2 ; 133.5,121.2 v3(133.5,122.1) ; 114.5,123.81 113.28,123.81 113,123.53 U38.2 ; 114.5,123.81 JP42.3 ; 114.5,123.81 v3(114.5,123.31) ; JP36.3 38.66,122.86 36.93,122.86 36.9,122.83 U32.2 v3(36.9,121.5) ; v3(56.8,121.5) 56.85,121.46 56.85,121.35 ; 57.9,124.5 57.9,124 59.01,122.89 60.42,122.89 v3(61.8,121.5) ; 56.85,121.35 55.38,121.35 55.2,121.18 U30.2 ; 56.85,121.35 JP34.3 ; v3(158.7,119.7) 158.5,119.91 JP46.3 156.02,120.81 155.8,120.59 U42.2 ; JP38.3 57.54,124.5 56.33,123.29 55.37,123.29 55.2,123.46 U34.2
  Bottom w0.3: 32,112.7 v2(32,111.91) 32,111.1
SERIAL_COM1: length 53.7
  In1.Cu w0.229: v3(5.58,72.75) 4.15,74.18 4.15,77.95 8.63,82.43 21.55,82.43 23.35,84.23 23.35,101.66 21.34,103.67 v3(21.34,104.88)
  Bottom w0.229: U10.6 21.34,104.88 v3(21.34,104.88)
  Bottom w0.3: USB2.8 5.97,72.75 ; 5.97,72.75 v3(5.58,72.75) ; 5.97,72.75 5.97,72.75 5.97,71.76 5.97,71.75 USB2.6
SERIAL_COM2: length 44.7
  In1.Cu w0.254: v3(21.91,104) 22,104 23.95,102.06 23.95,84.05 21.84,81.94 10.44,81.94 v3(6.1,77.6)
  Bottom w0.229: v3(21.91,104) 21.42,104 21.09,104.33 21.08,104.33 20.93,104.48 U10.7
  Bottom w0.254: v3(6.1,77.6) 5.8,77.91 JP33.2
SR_CLOCK: length 316.9
  In1.Cu w0.254: J38.6 41.95,14.61 v3(41.23,15.33)
  In1.Cu w0.3: v3(96.76,21.73) 143.22,21.73 149.7,28.21 149.7,37.2 150.27,37.77 150.27,59.49 v3(150.33,59.55) 150.56,59.78 150.56,69.55 146.3,73.8 146.3,80.8 v3(151.67,86.17) 151.73,86.23 151.73,89.24 151.52,89.44 v3(151.52,99.83) ; 150.43,43.8 150.97,43.8 v3(150.99,43.83)
  In2.Cu w0.3: v3(96.76,21.73) 80.73,21.73 75.73,16.73 58.48,16.73 45.3,13.2 43.35,13.2 v3(41.23,15.33) 35.45,21.1 35.45,40.3 23.5,52.25 23.5,57.09 12.16,68.43 12.16,76.65 14.23,78.72 14.23,81.03 12.4,82.85 12.4,103.91 13.2,104.7 13.2,105.41 12.93,105.68 v2(12,105.68)
  Bottom w0.203: v2(12,105.68) 12.01,105.68 U10.39
  Bottom w0.254: 94.11,21.28 94.11,20.66 94.5,20.26 95.7,20.26 96.76,21.32 v3(96.76,21.73) ; U6.11 151.41,60.63 v3(150.33,59.55) ; U7.11 151.38,44.22 v3(150.99,43.83) ; U5.11 151.46,85.96 v3(151.67,86.17) ; U4.11 151.52,101.53 v3(151.52,99.83)
SR_DATA: length 346.8
  In2.Cu w0.254: J38.7 44.38,12.23 44.3,12.31
  In2.Cu w0.3: v2(12.46,105.06) 11.82,104.43 11.82,82.48 13.63,80.68 13.63,78.91 11.65,76.93 11.65,68.21 22.7,57.15 22.7,52.05 34.75,40 34.75,20.66 43.1,12.31 44.6,12.31 58.35,15.95 76,15.95 80.95,20.91 145.65,20.91 148.35,23.6 163.25,23.6 173.4,33.75 173.4,103.45 171.25,105.6 v3(168.5,105.6)
  Bottom w0.203: U10.38 12.68,105.28 v2(12.46,105.06)
  Bottom w0.3: v3(168.5,105.6) 167.2,104.31 150.13,104.31 149.47,103.64 149.47,101.63 U4.14
SR_LATCH: length 311.2
  In1.Cu w0.254: v3(43.45,14.35) 43.45,13.76 J38.8
  In1.Cu w0.3: 149.79,64.95 149.79,60.31 149.52,60.03 v3(149.52,58.76) 149.54,58.74 149.54,42.59 147.7,40.75 147.7,27 143.27,22.57 v3(93.51,22.57) ; 149.79,64.95 149.79,69.02 145.5,73.3 145.5,81 v3(150.83,86.33) 151.15,86.65 151.15,87.5 150.81,87.85 v3(150.81,100.25) ; 149.79,64.95 149.79,64.21
  In2.Cu w0.3: v3(93.51,22.57) 80.42,22.57 75.36,17.51 58.9,17.51 45.15,13.95 43.85,13.95 v3(43.45,14.35) 36.1,21.7 36.1,40.55 24.4,52.25 24.4,59.35 22.31,61.44 22.31,73.89 12.88,83.33 12.88,103.28 13.8,104.2 13.8,105.6 13.07,106.34 v2(12.1,106.34)
  Bottom w0.203: U10.40 12.68,106.08 12.42,106.34 v2(12.1,106.34)
  Bottom w0.254: U5.12 150.81,86.31 v3(150.83,86.33) ; v3(149.55,43.83) 149.57,43.86 149.88,43.86 150.73,44.71 U7.12 ; v3(93.51,22.57) 93.45,22.51 U8.12 ; v3(149.52,58.76) 149.52,60.41 149.57,60.46 149.6,60.46 150.76,61.63 U6.12 ; U4.12 v3(150.81,100.25)
TB_INT: length 47.1
  Top w0.203: v2(13.95,99.68) 13.95,98.66 13.3,98 13.3,90.69 14.03,89.96 v2(14.03,89.27)
  In1.Cu w0.203: v2(13.95,99.68) 13.95,101.67 11.29,104.33 v2(11.29,104.56)
  In2.Cu w0.203: J44.2 27.62,68.66 25.91,70.36 25.91,72.33 24.68,73.57 24.68,76.62 14.03,87.26 v2(14.03,89.27)
  Bottom w0.203: U10.35 11.57,104.08 11.29,104.36 v2(11.29,104.56)
VLED: length 861.7
  Top w0.5: LED9.1 61.4,98.31 61.4,99.12 ; 61.45,118.17 61.45,117.34 LED2.1 ; 61.45,118.17 43.24,118.17 LED1.1 ; 61.45,118.17 70.35,118.17 71.88,119.7 80.49,119.7 81.42,120.64 84.47,120.64 85.5,119.6 92.09,119.6 95.06,122.58 101.13,122.58 101.49,122.94 109.99,122.94 112.37,120.56 129.3,120.56 131.68,118.17 160.6,118.17 LED7.1 161.77,117 162.87,117 163.48,116.39 172.57,116.39 176.1,112.86 176.1,81.7 ; LED29.1 14.15,46.96 14.15,47.14 14.3,47.29 18.57,48.84 24.36,54.64 38.26,54.64 44.52,60.9 61.56,60.9 61.69,61.02 71.14,61.02 73.52,63.41 90.19,63.41 92.57,65.79 103.24,65.79 103.28,65.75 109.27,65.75 111.62,63.41 130.84,63.41 133.22,61.02 176.02,61.02 176.1,61.1 ; v1(28.7,80.21) 28.83,80.07 71.14,80.07 73.52,82.46 90.19,82.46 92.57,84.84 109.24,84.84 111.62,82.46 130.9,82.46 133.28,80.07 138.14,80.07 139.41,81.34 153.18,81.34 155.3,79.22 LED21.1 162.02,79.22 164.5,81.7 176.1,81.7 ; LED15.1 42.39,79.82 ; 61.4,99.12 43.24,99.12 LED8.1 ; 61.4,99.12 70.45,99.12 70.47,99.1 72.88,101.51 80.41,101.51 ; 80.41,101.51 89.45,101.51 89.47,101.48 92.11,104.13 99.58,104.13 ; 80.41,101.51 80.41,100.73 80.49,100.65 ; 99.58,104.13 110.2,104.13 112.69,101.64 118.53,101.64 ; 99.58,104.13 99.54,104.08 LED11.1 ; LED31.1 44.35,32.76 ; 176.1,61.1 176.1,81.7 ; 176.1,61.1 176.1,45.2 174.3,43.41 158,43.41 156.57,41.97 156.43,41.97 ; 156.43,41.97 156.69,41.72 LED36.1 ; 156.43,41.97 133.12,41.97 130.74,44.36 111.62,44.36 109.24,46.74 90.54,46.74 89.1,45.3 78.7,45.3 71.2,37.8 70.06,37.8 LED32.1 47.58,36.12 44.53,33.07 43.93,32.93 29.65,32.93 LED30.1 ; 137.65,99.12 137.65,98.29 LED13.1 ; 137.65,99.12 131.86,99.12 129.35,101.64 118.53,101.64 ; 137.65,99.12 162.65,99.12 ; 176.1,100.7 164.7,100.7 163.12,99.12 162.65,99.12 ; LED27.1 137.64,60.77 ; 162.65,99.12 161.45,99.12 LED14.1 ; LED23.1 61.44,60.77 ; LED12.1 118.53,100.71 118.53,101.64 ; LED25.1 99.54,65.53 ; 80.49,62.55 80.49,63.15 ; LED35.1 137.64,41.72 ; LED19.1 118.59,82.2 ; LED5.1 118.59,120.3 ; LED6.1 137.64,117.92 ; LED22.1 38.67,54.47 ; LED26.1 118.59,63.15 ; LED33.1 99.54,46.48 ; LED16.1 61.44,79.82 ; 80.49,81.6 80.49,82.2 ; LED34.1 118.59,44.1 ; LED20.1 137.64,79.82 ; LED28.1 161.45,60.77 ; LED18.1 99.54,84.58
  Bottom w0.5: JP31.2 28.75,80.26 v1(28.7,80.21)
VSYS: length 100.3
  Top w0.75: v1(6.88,114.42) 6.88,114.54 6.69,114.74 ; 6.69,114.74 U1.4 5.02,116.41 C4.1 ; 6.69,114.74 7,114.42 7,114.12 7.52,113.6 U1.1 8.83,112.97 8.83,111.95 9.98,110.8 v1(9.98,110.33) ; v1(3.06,71.38) 3.48,70.95 14.53,70.95 v1(23.45,79.88)
  Bottom w0.75: 19.12,87.4 21,87.4 JP4.1 ; 19.12,87.4 JP30.1 ; 19.12,87.4 19.12,85.79 23.45,81.45 v1(23.45,79.88) ; 1.15,110.78 1.15,103.18 0.85,102.88 0.85,96.08 2.3,94.63 2.3,92.55 1.6,91.85 1.6,85.52 0.98,84.91 0.98,83.55 1.48,83.05 1.48,80.13 3.43,78.18 3.43,75.51 2.96,75.05 2.96,71.47 v1(3.06,71.38) ; 1.15,110.78 1.03,110.91 1.03,112.56 1.5,113.03 JP1.1 ; 1.15,110.78 2.13,110.78 5.77,114.42 v1(6.88,114.42) ; v1(9.98,110.33) 9.2,109.56 CR1.1
Net-(C1-Pad1): length 2.5
  Top w0.203: v2(32.65,115.1) 32.08,115.1 C1.1
  Bottom w0.203: 32,114 32,114.45 v2(32.65,115.1)
Net-(C2-Pad1): length 2.4
  Top w0.203: C2.1 29.63,115.1 v2(29.15,115.1)
  Bottom w0.203: 29.8,114.06 29.8,114.45 v2(29.15,115.1)
Net-(C5-Pad2): length 11.5
  Top w0.75: v1(8.62,110.7) 7.6,110.7 7.53,110.78 ; R14.1 7.53,110.78 ; 7.53,110.78 7.53,111.6 C5.2 7.48,112.04 U1.5 ; R17.2 4.33,108.98 v1(4.3,108.95)
  Bottom w0.75: v1(4.3,108.95) 6.05,108.95 7.8,110.7 v1(8.62,110.7)
Net-(C7-Pad2): length 26.3
  Top w0.254: v3(10.9,116.6) 10.42,117.08 C7.2
  Top w0.5: R18.1 11.31,119.16 USB1.13
  In1.Cu w1: USB1.13 11.68,119.56 10.58,120.66 10.58,122.61 USB1.13 13.32,123.72 14.36,122.67 17.67,122.67 18.72,123.72 USB1.13 20.86,123.72 21.73,122.85 21.73,120.94 USB1.13
  Bottom w0.254: USB1.13 10.9,118.76 v3(10.9,116.6)
Net-(C8-Pad2): length 7.6
  Bottom w0.5: R19.1 16.24,92.77 17.28,91.72 C8.2 19.07,91.72 20.3,92.95 Y1.3
Net-(C10-Pad1): length 37.1
  Top w0.5: U2.4 6.91,100.85 v1(7.8,100.85) 7.8,104.1 C10.1
  In1.Cu w0.75: v1(2.41,112.52) 2.41,106.24 v1(7.8,100.85)
  In2.Cu w0.75: 7.79,100.88 2.4,106.27 2.4,112.54
  Bottom w0.75: v1(2.41,112.52) 3.2,113.31 3.2,114.7 3,114.91 JP1.2
Net-(C11-Pad1): length 23.1
  Top w0.75: v1(2.05,97.75) 2.92,97.75 C12.1 ; C11.1 2.37,102.25 v1(2.07,101.96) 2.07,103.14 R10.2
  Bottom w0.75: JP2.1 4.18,87.53 4.18,88.65 4.63,89.1 4.63,90.23 3.45,91.41 L1.2 2.65,96.35 2.05,96.95 v1(2.05,97.75) 2.05,101.94 v1(2.07,101.96)
Net-(C11-Pad2): length 5.2
  Top w0.5: C11.2 4.86,100.7 U2.5 4.89,102.59 4.83,102.66 4.83,104.07 R11.1
Net-(C13-Pad1): length 45.4
  Top w0.75: v1(9.93,85.85) 10.23,85.85 10.95,85.13 10.95,83.45 9.66,82.16 4.55,82.16 3.05,83.66 3.05,86.93 2.1,87.88 2.1,89.28 5.45,92.63 v1(7.5,92.63)
  Bottom w0.5: C13.1 5.75,106.66 U3.5 5.75,104.76 6.79,103.73 8.28,103.73 8.75,103.25 8.75,101.43 ; v1(7.5,92.63) 7.5,92.95 9.4,94.85 9.4,99.75 8.73,100.43 8.73,101.46 ; 8.73,101.46 8.75,101.43 8.75,101.43 ; 8.73,101.46 8.75,101.43
  Bottom w0.75: JP11.2 10.73,86.66 v1(9.93,85.85)
Net-(C14-Pad1): length 26.6
  Bottom w0.5: U3.1 5.75,97.79 4.78,96.81 4.78,91.24 5.41,90.61 5.41,88.78 5.08,88.46 5.08,83.63 JP12.1 4.49,82.85 D5.2
  Bottom w0.75: U3.1 6.32,102.75 C14.1
Net-(C30-Pad1): length 2.2
  Top w0.3: 8.12,89.5 8.09,89.54 C30.1 8.11,89.65 9.05,88.7 9.05,87.96
Net-(C30-Pad2): length 1.8
  Top w0.3: 9.08,89.5 9.2,89.5 9.55,89.15 9.55,87.96
Net-(C31-Pad1): length 1.6
  Top w0.3: 10.05,87.96 10.05,89.47 10.02,89.5
Net-(C31-Pad2): length 1.7
  Top w0.3: 10.98,89.5 10.55,89.08 10.55,87.96
Net-(C33-Pad1): length 6.1
  Top w0.3: C33.1 24.95,92.31 21.55,88.91 21.55,87.96
Net-(C34-Pad1): length 4.3
  Top w0.3: C34.1 23.49,90.2 22.05,88.77 22.05,87.96
Net-(D1-Pad1): length 10.2
  Top w0.3: v3(9.96,112) 9.85,112.1 9.85,112.88
  Bottom w0.3: D1.1 9.8,111.95
Net-(D1_1-Pad2): length 3.3
  Bottom w0.5: SW_K_1.2 36.29,112.67 36.78,113.15
Net-(D1_2-Pad2): length 3.3
  Bottom w0.5: 55.83,113.15 55.34,112.67 SW_K_2.2
Net-(D1_3-Pad2): length 3.3
  Bottom w0.5: 74.88,115.53 74.39,115.05 SW_K_3.2
Net-(D1_4-Pad2): length 3.3
  Bottom w0.5: 93.93,117.91 93.44,117.43 SW_K_4.2
Net-(D1_5-Pad2): length 3.3
  Bottom w0.5: SW_K_5.2 112.49,115.05 112.98,115.53
Net-(D1_6-Pad2): length 3.3
  Bottom w0.5: SW_K_6.2 131.54,112.67 132.03,113.15
Net-(D1_7-Pad2): length 3.3
  Bottom w0.5: SW_K_7.2 155.36,112.67 155.84,113.15
Net-(D1_8-Pad2): length 3.3
  Bottom w0.5: SW_K_8.2 36.29,93.62 36.78,94.1
Net-(D1_9-Pad2): length 3.3
  Bottom w0.5: 55.83,94.1 55.34,93.62 SW_K_9.2
Net-(D1_10-Pad2): length 3.3
  Bottom w0.5: 74.88,96.48 74.39,96 SW_K_10.2
Net-(D1_11-Pad2): length 3.3
  Bottom w0.5: 93.93,98.86 93.44,98.38 SW_K_11.2
Net-(D1_12-Pad2): length 3.3
  Bottom w0.5: 112.98,96.48 112.49,96 SW_K_12.2
Net-(D1_13-Pad2): length 3.3
  Bottom w0.5: 132.03,94.1 131.54,93.62 SW_K_13.2
Net-(D1_14-Pad2): length 3.3
  Bottom w0.5: SW_K_14.2 155.36,93.62 155.84,94.1
Net-(D1_15-Pad2): length 3.3
  Bottom w0.5: 36.78,75.05 36.29,74.57 SW_K_15.2
Net-(D1_16-Pad2): length 3.3
  Bottom w0.5: SW_K_16.2 55.34,74.57 55.83,75.05
Net-(D1_17-Pad2): length 3.3
  Bottom w0.5: 74.88,77.43 74.39,76.95 SW_K_17.2
Net-(D1_18-Pad2): length 3.3
  Bottom w0.5: SW_K_18.2 93.44,79.33 93.93,79.81
Net-(D1_19-Pad2): length 3.3
  Bottom w0.5: 112.98,77.43 112.49,76.95 SW_K_19.2
Net-(D1_20-Pad2): length 3.3
  Bottom w0.5: 132.03,75.05 131.54,74.57 SW_K_20.2
Net-(D1_21-Pad2): length 3.6
  Bottom w0.5: D1_21.2 155.36,69.14 SW_K_21.2
Net-(D1_22-Pad2): length 3.3
  Bottom w0.5: SW_K_22.2 33.97,47.95 34.33,48.53
Net-(D1_23-Pad2): length 3.3
  Bottom w0.5: SW_K_23.2 55.34,55.52 55.83,56
Net-(D1_24-Pad2): length 3.3
  Bottom w0.5: 74.88,58.38 74.39,57.9 SW_K_24.2
Net-(D1_25-Pad2): length 3.3
  Bottom w0.5: SW_K_25.2 93.44,60.28 93.93,60.76
Net-(D1_26-Pad2): length 3.3
  Bottom w0.5: 112.98,58.38 112.49,57.9 SW_K_26.2
Net-(D1_27-Pad2): length 3.3
  Bottom w0.5: SW_K_27.2 131.54,55.52 132.03,56
Net-(D1_28-Pad2): length 3.3
  Bottom w0.5: 155.84,56 155.36,55.52 SW_K_28.2
Net-(D1_29-Pad2): length 3.3
  Bottom w0.5: 10.51,40.56 10.22,39.94 SW_K_29.2
Net-(D1_30-Pad2): length 3.3
  Bottom w0.5: 18.62,19.9 18.33,19.29 SW_K_30.2
Net-(D1_31-Pad2): length 3.3
  Bottom w0.5: 40,26.81 39.64,26.23 SW_K_31.2
Net-(D1_32-Pad2): length 3.3
  Bottom w0.5: 63.15,31.47 62.71,30.95 SW_K_32.2
Net-(D1_33-Pad2): length 3.3
  Bottom w0.5: SW_K_33.2 93.44,41.23 93.93,41.71
Net-(D1_34-Pad2): length 3.3
  Bottom w0.5: 112.98,39.33 112.49,38.85 SW_K_34.2
Net-(D1_35-Pad2): length 3.3
  Bottom w0.5: 132.03,36.95 131.54,36.47 SW_K_35.2
Net-(D1_36-Pad2): length 3.3
  Bottom w0.5: SW_K_36.2 150.59,36.47 151.08,36.95
Net-(D5-Pad1): length 6.1
  Top w0.3: 3.95,79.1 3.11,79.1 2.35,79.87 v3(2.35,80.99)
  Bottom w0.3: v3(2.35,80.99) 2.35,82.59 D5.1
Net-(D6-Pad1): length 2.2
  Top w0.3: v3(3.03,88.68) 3.03,88.7 R6.2
  Bottom w0.254: D6.1 3.03,89.29 v3(3.03,88.68)
Net-(D12-Pad2): length 26.5
  Top w0.3: SW1.S2 27.78,57.96 27.08,57.25 24.15,57.25 18,51.1 14.3,51.1 11.58,53.83 SW1.S2
  Bottom w0.3: SW1.S2 27.76,58.05 D12.2
Net-(J37-Pad6): length 25
  Top w0.3: 11.05,87.96 11.05,86.74 12.1,85.69 12.1,83.49 12.74,82.85 26.65,82.85 v3(28.8,85)
  Bottom w0.3: 28.75,87.2 28.8,87.16 v3(28.8,85)
Net-(J37-Pad26): length 8.2
  Top w0.3: R30.2 23.95,93.93 23.95,91.95 21.05,89.05 21.05,87.96
Net-(JP3-Pad2): length 23.3
  Top w0.5: U2.1 5.11,98.26 5.11,95.05 5.68,94.48 v1(5.68,93.93)
  In1.Cu w0.75: v1(7.68,86.47) 5.15,89.01 5.15,93.4 v1(5.68,93.93)
  In2.Cu w0.75: 5.68,93.93 5.14,93.39 5.14,89.01 v1(7.68,86.47)
  Bottom w0.5: JP3.2 7.55,86.6 v1(7.68,86.47)
Net-(JP5-Pad1): length 3.5
  Top w0.203: v3(28.85,116.1) 30.05,117.31 R3.2
  Bottom w0.203: 29.8,116.91 29,116.1 v3(28.85,116.1)
Net-(JP6-Pad1): length 3.5
  Top w0.203: v3(33.35,116.75) 32.68,116.75 R4.2
  Bottom w0.203: 32.05,116.91 33.2,116.91 v3(33.35,116.75)
Net-(JP13-Pad2): length 2.9
  Bottom w0.75: JP13.2 2.6,106.84 U3.4
Net-(JP30-Pad2): length 21.6
  Bottom w0.75: JP31.3 30.05,80.1 28.8,78.85 22.96,78.85 16.38,85.43 JP30.2
Net-(JP33-Pad1): length 13
  Bottom w0.3: JP33.1 4.5,71.5 4.75,71.25 USB2.5 8.02,71.25 8.03,71.26 8.03,72.25 8.02,72.25 USB2.7
Net-(JP34-Pad1): length 7.2
  Bottom w0.254: U30.4 55.25,121.81 56.25,121.81 56.87,122.43 59.93,122.43 60.5,121.86 JP34.1
Net-(JP35-Pad1): length 2.4
  Bottom w0.254: U31.4 67.35,121.39 JP35.1
Net-(JP36-Pad1): length 7.7
  Bottom w0.254: U32.4 36.9,123.5 37.99,123.5 38.4,123.92 38.4,124.2 39.03,124.83 41.68,124.83 42.2,124.31 JP36.1
Net-(JP37-Pad1): length 2.5
  Bottom w0.254: U33.4 49.1,123.81 JP37.1
Net-(JP38-Pad1): length 7.1
  Bottom w0.254: 60.5,124.5 60.5,125.01 59.91,125.6 56.6,125.6 56.19,125.19 55.16,125.19 U34.4
Net-(JP39-Pad1): length 2.4
  Bottom w0.254: 66.5,124.65 67.65,125.8 U35.4
Net-(JP40-Pad1): length 7.5
  Bottom w0.254: JP40.1 99.5,126.2 98.95,126.76 94.26,126.76 U36.4
Net-(JP41-Pad1): length 2.4
  Bottom w0.254: U37.4 106.65,126.16 JP41.1
Net-(JP42-Pad1): length 7.2
  Bottom w0.254: U38.4 112.96,125.46 117.16,125.46 118.3,124.31 JP42.1
Net-(JP43-Pad1): length 2.4
  Bottom w0.254: U39.4 125.2,123.81 JP43.1
Net-(JP44-Pad1): length 7.3
  Bottom w0.254: U40.4 132.06,123 135.91,123 137.2,121.71 JP44.1
Net-(JP45-Pad1): length 2.4
  Bottom w0.254: U41.4 144.15,121.19 JP45.1
Net-(JP46-Pad1): length 7.2
  Bottom w0.254: U42.4 155.76,122.52 159.9,122.52 161.1,121.31 JP46.1
Net-(JP47-Pad1): length 2
  Bottom w0.254: U43.4 168.85,120.76 JP47.1
Net-(L1-Pad1): length 3.6
  Top w0.75: U2.3 8.24,98.47 v1(8.25,98.45)
  Bottom w0.75: v1(8.25,98.45) L1.1
Net-(L2-Pad1): length 4.9
  Top w0.75: v1(7.5,118.1) 7.5,116.19 U1.3
  Bottom w0.75: L2.1 v1(7.5,118.1)
Net-(R7-Pad2): length 3.4
  Top w0.229: R7.2 14.4,121.84 v3(14.4,120.91)
  Bottom w0.229: v3(14.4,120.91) 14.75,120.56 USB1.4
Net-(R9-Pad2): length 3.4
  Top w0.229: R9.2 18.1,121.84 v3(18.1,120.91)
  Bottom w0.229: v3(18.1,120.91) 17.75,120.56 USB1.10
Net-(R10-Pad1): length 1.6
  Top w0.5: R11.2 3.2,105.83 R10.1
Net-(R13-Pad1): length 2.2
  Bottom w0.5: 3.08,101.4 3.08,102.54 U3.3
Net-(R22-Pad2): length 2.6
  Bottom w0.229: U10.47 15.75,109.66 R22.2
Net-(R23-Pad2): length 2.8
  Bottom w0.229: 14.7,110.16 14.88,110.16 15.35,109.68 U10.46
unconnected-(USB2-Pad13): length 17
  In2.Cu w1: USB2.13 USB2.13 USB2.13 USB2.13

## Copper pours and planes (outline as drawn; the poured copper is in the pictures)
GND on Top, Bottom, In1.Cu, In2.Cu: 11.2,108 10.7,108.5 10.7,108.91 11.03,109.31 11,131.81 189.1,131.75 189.1,3.56 26.15,-7.3 -2.4,-7.3 -2.35,90.3 11.2,90.3 ; 1 cut-out
GND on Top, Bottom, In1.Cu, In2.Cu: 10.8,107.81 10.8,91.5 9.85,90.75 -1.7,90.75 -1.7,108.56 10.05,108.56
GND on Top, Bottom, In1.Cu, In2.Cu: 10.8,109.6 10.1,108.81 -1.7,108.81 -1.7,126.55 10.8,126.55
GND on Top, Bottom, In1.Cu, In2.Cu: 17.95,100.35 18.35,98.31 20.25,98.31 21.85,96.81 21.85,92.1 20.25,90.7 16.7,90.7 15.05,92.35 15.05,96.45 16.1,97.5 16.1,99.45 16.75,100.1 16.75,101.31 16.85,101.41 17.95,101.41

## Text on the board
B.Silkscreen: Reset / PullUp | Bypass Resistor | E / n | VBAT | B | S | Out | VBAT / En | In | CurrentLim | VledSelect1 / (VSYS:VBUS) | Bypass | StatusDisplayPower / (VDD:VBAT) | VledSelect2 / (Select1:VBAT) | Sdin Sclk | Cap:Sdin Sclk | Buffer Bypass | D-C / PullUp | Debug | 1 | D- | D+ | 12 | ALPS/JP / Rotary Enc | D1 | R1 | C1 | C4 | RESET | C3 | C6 | C5 | C2 | BOOT | Cirque Connector | pimoroni / TRACKBALL
User.Comments: -2.6/-7.35
F.Silkscreen: L | E | D | 1 | 30 | by thpoll | Wave | PolyKeyboard
